# Altium PCB 719FLY底板PCB.PcbDoc
Units mil, origin at the board's own origin, x right, y up, seen from the top; angles counter-clockwise.
Board outline 1811.02 x 3149.61 mil, 2 copper layers (Top Layer, Bottom Layer); 32 components, 41 nets, 143 pads, 26 vias.
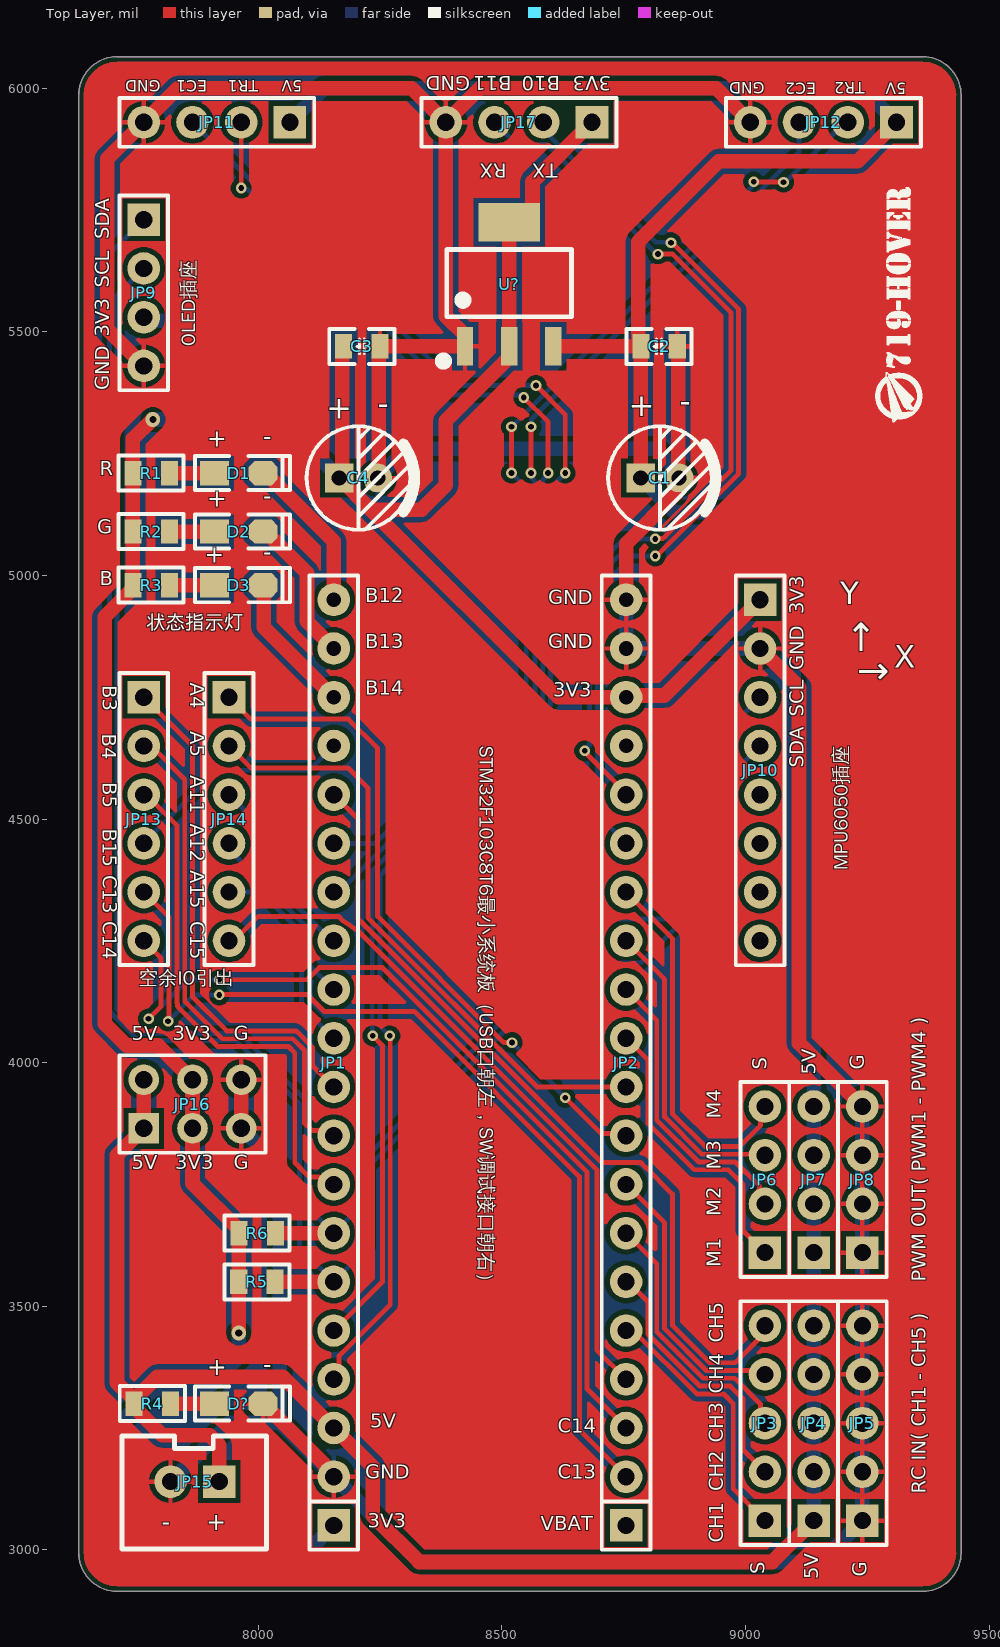
[diagram p0: Top Layer view]
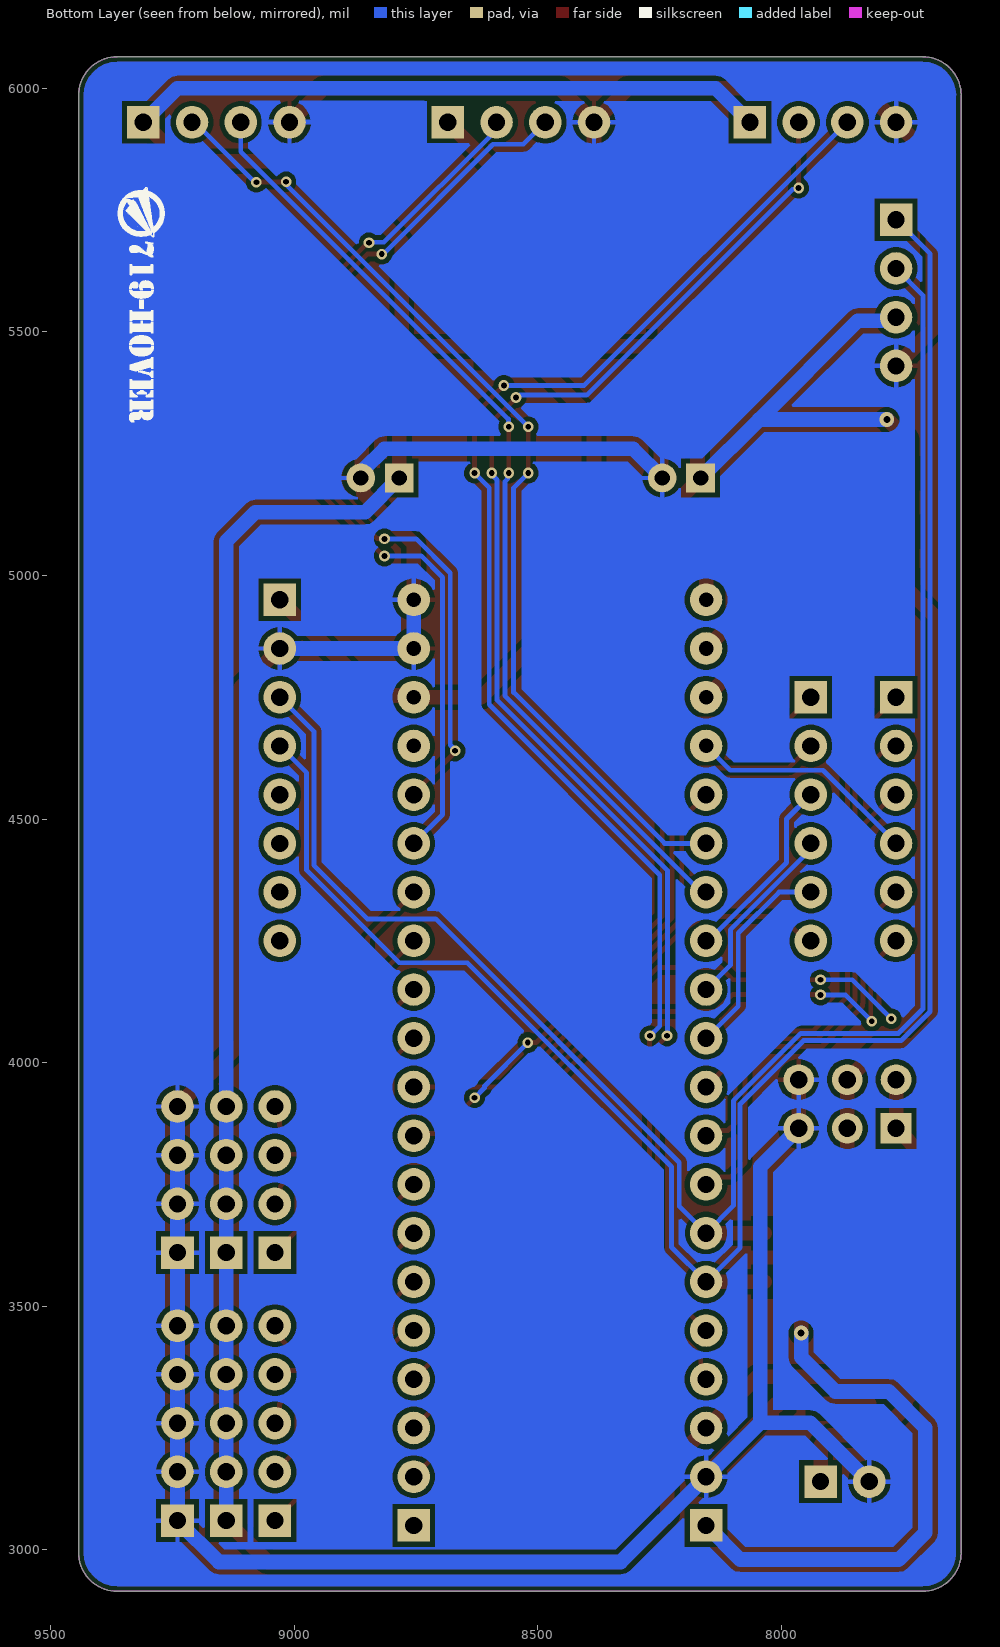
[diagram p1: Bottom Layer view, seen from below]

## Layer stack, top to bottom
Top Solder: solder mask 0.4, Solder Resist, Dk 3.5
Top Layer: signal copper 1.4
Dielectric 1: dielectric 12.6, FR-4, Dk 4.8
Bottom Layer: signal copper 1.4
Bottom Solder: solder mask 0.4, Solder Resist, Dk 3.5

## Board outline
7631.57,2993.72 7631.57,5985.85 cw(c7710.31,5985.85) 7710.31,6064.59 9363.85,6064.59 cw(c9363.85,5985.85) 9442.59,5985.85 9442.59,2993.72 cw(c9363.85,2993.72) 9363.85,2914.98 7710.31,2914.98 cw(c7710.31,2993.72)

## Design rules (kind name [scope] priority, off if disabled: settings)
Clearance Polygon [InNamedPolygon('P1') OR InNamedPolygon('P2')] p1: gap=10 ignorepadtopadclearanceinfootprint=FALSE
Clearance [All] p2: gap=0 ignorepadtopadclearanceinfootprint=FALSE
MinimumSolderMaskSliver [All] p1: minsoldermaskwidth=0
PolygonConnect [All] p1: connectstyle=Relief reliefconductorwidth=10 reliefentries=4 polygonreliefangle="90 Angle" airgapwidth=10
RoutingVias [All] p1: holewidth=28 width=50 viastyle="Through Hole" minholewidth=28 minwidth=50 maxholewidth=28 maxwidth=50
SilkToSilkClearance [All] p1: silktosilkclearance=0
SilkToSolderMaskClearance [IsPad] p1: minsilkscreentomaskgap=0 clearancetoexposedcopper=TRUE
SolderMaskExpansion [All] p1: expansion=4 istentingtop=FALSE
Width [All] p1: maxlimit=30 minlimit=10 preferedwidth=10
27 further rules are at their usual default settings.

## Components (designator, comment, footprint, x,y, rotation, side; value= is the part's Value field where it differs from the comment)
C1 "10uF" "CAP 2.0*5*11" 8824.37,5200.04 r0 top
C2 "104" "C 0805_L" 8822.6,5470.04 r180 top
C3 "104" "C 0805_L" 8212.6,5470.04 r180 top
C4 "10uF" "CAP 2.0*5*11" 8205.63,5200.04 r0 top
D1 "LED" "LED 0805R" 7960,5210.04 r0 top
D2 "LED" "LED 0805G" 7960,5090.04 r0 top
D3 "LED" "LED 0805B" 7960,4980.04 r0 top
D? "LED" "LED 0805W" 7960,3300.04 r0 top
JP1 "HDR-1X20" HDR2.54-M-LI-20P 8155,4000.04 r90 top
JP2 "HDR-1X20" HDR2.54-M-LI-20P 8755,4000.04 r90 top
JP3 "HDR-1X5" HDR2.54-LI-5P 9040,3260.04 r90 top
JP4 "HDR-1X5" HDR2.54-LI-5P 9140,3260.04 r90 top
JP5 "HDR-1X5" HDR2.54-LI-5P 9240,3260.04 r90 top
JP6 "HDR-1X4" HDR2.54-LI-4P 9040,3760.04 r90 top
JP7 "HDR-1X4" HDR2.54-LI-4P 9140,3760.04 r90 top
JP8 "HDR-1X4" HDR2.54-LI-4P 9240,3760.04 r90 top
JP9 "HDR-1X4" HDR2.54-M-LI-4P 7765,5580.04 r270 top
JP10 "HDR-1X8" HDR2.54-LI-8P 9030,4600 r270 top
JP11 "HDR-1X4" HDR2.54-M-LI-4P 7915,5930.04 r180 top
JP12 "HDR-1X4" HDR2.54-M-LI-4P 9160,5930.04 r180 top
JP13 "HDR-1X6" HDR2.54-LI-6P 7765,4500.04 r270 top
JP14 "HDR-1X6" HDR2.54-LI-6P 7940,4500.04 r270 top
JP15 "HDR-1X2" XH2.54-LI-2P 7870,3140 r0 top
JP16 "Header3X2" HDR2.54-LI-2x3P 7865,3915.04 r0 top
JP17 "HDR-1X4" HDR2.54-LI-4P 8535,5930.04 r180 top
R1 "4.7K" "R 0805_L" 7780,5210.04 r0 top
R2 "4.7K" "R 0805_L" 7780,5090.04 r0 top
R3 "4.7K" "R 0805_L" 7780,4980.04 r0 top
R4 "4.7K" "R 0805_L" 7782.6,3300.04 r0 top
R5 "2.2K" "R 0805_L" 7997.4,3550.04 r180 top
R6 "2.2K" "R 0805_L" 7997.6,3650.04 r180 top
U? "AMS1117-3V3" SOT223_N 8515,5600.04 r0 top

## Footprints (in the part's own frame and the unit in brackets; to place one, negate y for a bottom-side part, rotate by r counter-clockwise, add the part's x,y. Pads: shape width x height; smd on the part's side, far side on the other; paste and mask are expansions set on the pad)
"C 0805_L" [mil] "无极性贴片电容                                        淘宝ID:黄晶宝石"
  rect 35x50 smd: 1(-37.4,0) 2(37.4,0)
  silkscreen extent -67,-36 67,36, body extent -39,-24 39,24, height 20
"CAP 2.0*5*11" [mm] "脚距2mm直径5mm高度11mm                 淘宝ID:黄晶宝石"
  rect 1.5x1.5 hole 0.8: 1(-1,0)
  round 1.5 hole 0.8: 2(1,0)
  silkscreen extent -2.7,-2.7 2.96,2.7, body extent -2.5,-2.5 2.51,2.5, height 11.04
HDR2.54-LI-2x3P [mm] "封装库来自淘宝卖家 ID：黄晶宝石"
  rect 1.6x1.6 hole 0.9: 1(-2.54,-1.27)
  round 1.6 hole 0.9: 2(-2.54,1.27) 3(0,-1.27) 4(0,1.27) 5(2.54,-1.27) 6(2.54,1.27)
  silkscreen extent -3.81,-2.54 3.81,2.54, body extent -3.81,-2.54 3.81,2.54, height 8.5
HDR2.54-LI-4P [mm] "排针，4脚"
  rect 1.7x1.7 hole 0.9: 1(-3.81,0)
  round 1.7 hole 0.9: 2(-1.27,0) 3(1.27,0) 4(3.81,0)
  silkscreen extent -5.08,-1.27 5.08,1.27, body extent -5.08,-1.27 5.08,1.27, height 8.5
HDR2.54-LI-5P [mm] "排针，5脚"
  rect 1.7x1.7 hole 0.9: 1(-5.08,0)
  round 1.7 hole 0.9: 2(-2.54,0) 3(0,0) 4(2.54,0) 5(5.08,0)
  silkscreen extent -6.35,-1.27 6.35,1.27, body extent -6.35,-1.27 6.35,1.27, height 8.5
HDR2.54-LI-6P [mm] "排针，6脚"
  rect 1.7x1.7 hole 0.9: 1(-6.35,0)
  round 1.7 hole 0.9: 2(-3.81,0) 3(-1.27,0) 4(1.27,0) 5(3.81,0) 6(6.35,0)
  silkscreen extent -7.62,-1.27 7.62,1.27, body extent -7.62,-1.27 7.62,1.27, height 8.5
HDR2.54-LI-8P [mm] "排针，8脚  淘宝ID:黄晶宝石   店铺网址:https://shop463601444.taobao.com"
  rect 1.7x1.7 hole 0.9: 1(-8.89,0)
  round 1.7 hole 0.9: 2(-6.35,0) 3(-3.81,0) 4(-1.27,0) 5(1.27,0) 6(3.81,0) 7(6.35,0) 8(8.89,0)
  silkscreen extent -10.16,-1.27 10.16,1.27, body extent -10.16,-1.27 10.16,1.27, height 8.5
HDR2.54-M-LI-4P [mm] "排母，4脚  淘宝ID:黄晶宝石   店铺网址:https://shop463601444.taobao.com"
  rect 1.7x1.7 hole 0.9: 1(-3.81,0)
  round 1.7 hole 0.9: 2(-1.27,0) 3(1.27,0) 4(3.81,0)
  silkscreen extent -5.08,-1.27 5.08,1.27, body extent -5.08,-1.27 5.08,1.27, height 8.5
HDR2.54-M-LI-20P [mm] "排母，20脚"
  rect 1.7x1.7 hole 0.9: 1(-24.13,0)
  round 1.7 hole 0.9: 2(-21.59,0) 3(-19.05,0) 4(-16.51,0) 5(-13.97,0) 6(-11.43,0) 7(-8.89,0) 8(-6.35,0) 9(-3.81,0) 10(-1.27,0) 11(1.27,0) 12(3.81,0) 13(6.35,0) 14(8.89,0) 15(11.43,0) 16(13.97,0)
  round 1.7 hole 0.762: 17(16.51,0) 18(19.05,0) 19(21.59,0) 20(24.13,0)
  silkscreen extent -25.4,-1.27 25.4,1.27, body extent -25.4,-1.27 25.4,1.27, height 8.5
"LED 0805B" [mil] "蓝色0805LED                                    淘宝ID:黄晶宝石"
  rect 60x50 smd: 1(-50,0)
  oct 60x50 smd: 2(50,0)
  silkscreen extent -90,-35 105,35, body extent -39,-25 39,25, height 32
"LED 0805G" [mil] "绿色0805LED                              淘宝ID:黄晶宝石"
  rect 60x50 smd: 1(-50,0)
  oct 60x50 smd: 2(50,0)
  silkscreen extent -90,-35 105,35, body extent -39,-25 39,25, height 32
"LED 0805R" [mil] "红色0805LED                                       淘宝ID:黄晶宝石"
  rect 60x50 smd: 1(-50,0)
  oct 60x50 smd: 2(50,0)
  silkscreen extent -90,-35 105,35, body extent -39,-25 39,25, height 32
"LED 0805W" [mil] "白色0805LED"
  rect 60x50 smd: 1(-50,0)
  oct 60x50 smd: 2(50,0)
  silkscreen extent -90,-35 105,35, body extent -39,-25 39,25, height 32
"R 0805_L" [mil] "1/8W贴片电阻"
  rect 35x50 smd: 1(-37.4,0) 2(37.4,0)
  silkscreen extent -67,-36 67,36, body extent -39,-25 39,25, height 20
SOT223_N [mm] "6.4x7x1.6mm(长宽高)"
  rect 0.85x2 smd: 1(-2.3,-3.302) 2(0,-3.302) 3(2.3,-3.302)
  rect 3.2x2 smd: 2(0,3.175)
  silkscreen extent -3.63,-4.26 3.25,1.75, body extent -3.25,-3.51 3.25,3.51, height 1.65
XH2.54-LI-2P [mm] "接插件，2P  淘宝ID:黄晶宝石   店铺网址:https://shop463601444.taobao.com"
  rect 1.7x1.7 hole 0.9: 1(1.27,0)
  round 1.7 hole 0.9: 2(-1.27,0)
  silkscreen extent -3.81,-3.51 3.74,2.37, body extent -3.77,-3.3 3.77,2.4, height 7.05

## Part data
C1 C4: library part C-CAP, "直插电解电容", BOM名称=直插电解电容, 学习资源=www.ooocke.com, 版权归属=源创客
C2 C3: library part C, "无极性贴片电容", BOM名称=无极性贴片电容, 学习资源=www.ooocke.com, 材质=X7R, 版权归属=源创客
D1 D2 D3 D?: "发光二极管", 技术支持，联系售后=https://shop463601444.taobao.com
JP1 JP2: library part "Header 20", "20P接插件", BOM名称=20P接插件, 学习资源=https://shop463601444.taobao.com, 版权归属="封装库来自淘宝 ID：黄晶宝石"
JP3 JP4 JP5: library part "Header 5", "5P接插件", BOM名称=5P接插件, 学习资源=https://shop463601444.taobao.com, 版权归属="封装库来自淘宝 ID：黄晶宝石"
JP6 JP7 JP8 JP9 JP11 JP12 JP17: library part "Header 4", "4P接插件", BOM名称=4P接插件
  JP6 JP7 JP8: 学习资源=https://shop463601444.taobao.com, 版权归属="封装库来自淘宝 ID：黄晶宝石"
  JP9 JP11 JP12 JP17: 学习资源=www.ooocke.com, 版权归属=源创客
JP10: library part "Header 8", "8P接插件", BOM名称=8P接插件, 学习资源=https://shop463601444.taobao.com, 版权归属="封装库来自淘宝 ID：黄晶宝石"
JP13 JP14: library part "Header 6", "6P接插件", BOM名称=6P接插件, 学习资源=https://shop463601444.taobao.com, 版权归属="封装库来自淘宝 ID：黄晶宝石"
JP15: library part "Header 2", "2P接插件", BOM名称=2P接插件, 学习资源=www.ooocke.com, 版权归属=源创客
JP16: library part "Header 3X2", "3*2P接插件", BOM名称=3*2P接插件, 学习资源=https://shop463601444.taobao.com, 版权归属="封装库来自淘宝 ID：黄晶宝石"
R1 R2 R3 R4 R5 R6: library part 1R, "贴片电阻", BOM名称=贴片电阻, 学习资源=www.ooocke.com, 版权归属=源创客
U?: library part AMS1117, "三端稳压芯片", BOM名称=稳压芯片, 学习资源=www.ooocke.com, 版权归属=源创客

## Via types
v1: diameter 22, hole 12, Top Layer to Bottom Layer, 24 vias
v2: diameter 30, hole 15, Top Layer to Bottom Layer, 2 vias

## Nets (pads, with @x,y where several pads share a name; then routed paths per layer and width w, separated by ;. In a path a pad name is that pad's centre, name@x,y a point inside that pad or via, vN(x,y) a via of type N, cw(c..) or ccw(c..) an arc to the next point about the centre after c; other vN are vias at no path point)
CH1: JP2.5 JP3.1 | length 549.1
  Top Layer w10: JP2.5 8770,3450.04 8900,3320.04 8955,3320.04 8975,3300.04 8975,3125.04 JP3.1
CH2: JP2.6 JP3.2 | length 547
  Top Layer w10: JP2.6 8759.14,3550.04 8800,3509.18 8800,3442.67 8906.63,3336.04 8969,3336.04 8995,3310.04 8995,3205.04 JP3.2
CH3: JP2.7 JP3.3 | length 546
  Top Layer w10: JP2.7 8818,3587.04 8818,3447.29 8913.25,3352.04 8978,3352.04 9030.73,3299.31 9030.73,3269.31 JP3.3
CH4: JP2.8 JP3.4 | length 573.7
  Top Layer w10: JP2.8 8834,3671.04 8834,3453.92 8919.88,3368.04 9032,3368.04 JP3.4
CH5: JP1.16 JP3.5 | length 1686.3
  Top Layer w10: JP1.16 8205,4500.04 8205,4294.78 8704.75,3795.04 8784.71,3795.04 8794.71,3785.04 8795,3785.04 8850,3730.04 8850,3460.55 8926.51,3384.04 8979,3384.04 9040,3445.04 JP3.5
Echo_1: JP1.4 JP11.3 | length 3207.7
  Top Layer w10: JP1.4 8165.89,3360.93 8165.89,3398.05 8271,3503.16 8271,4054.04 v1(8270,4055.04) ; v1(8570,5390.04) 8630,5330.04 v1(8630,5210.04)
  Bottom Layer w10: JP11.3 8405,5390.04 v1(8570,5390.04) ; v1(8270,4055.04) 8250,4075.04 8250,4385.04 8600,4735.04 8600,5180.04 v1(8630,5210.04)
Echo_2: JP1.14 JP12.3 | length 1988.1
  Top Layer w10: v1(8560,5210.04) v1(8560,5305.04)
  Bottom Layer w10: JP1.14 8165,4350.04 8568,4753.04 8568,5192.47 8562.3,5198.17 8562.3,5207.74 v1(8560,5210.04) ; v1(8560,5305.04) 8560.88,5305.92 8560.88,5320.92 9110,5870.04 JP12.3
GND: C1.2 C2.1 C3.1 C4.2 D?.2 JP1.2 JP2.19 JP2.20 JP5.1 JP5.2 JP5.3 JP5.4 JP5.5 JP8.1 JP8.2 JP8.3 JP8.4 JP9.4 JP10.2 JP11.4 JP12.4 JP15.2 JP16.5 JP16.6 JP17.4 U?.1 | length 8923
  Top Layer w30: JP9.4 7690,5505.04 7690,5855.04 JP11.4 7835,6000.04 8315,6000.04 JP17.4 ; JP16.5 JP16.6 ; D?.2@8010,3295.04 8005,3300.04 D?.2 8011.29,3300.04 8155,3156.33 JP1.2 ; C4.2 8247.5,5202.54 8247.5,5467.54 C3.1 U?.1 8424.45,5492.68 8385,5532.13 JP17.4 ; JP2.20 8755,5065.04 8858.18,5168.22 8858.18,5194.48 C1.2 8861.87,5201.91 8861.87,5468.17 C2.1 ; JP12.4 8940,6000.04 8455,6000.04 JP17.4 ; JP10.2 9110,4770 9110,4040.04 JP8.4
  Bottom Layer w30: JP15.2 7941.04,3261.04 8044,3261.04 ; JP16.5 8044,3786.04 8044,3261.04 ; C4.2 8305,5260.04 8815,5260.04 8858.18,5216.86 8858.18,5205.6 C1.2 ; JP2.19 JP10.2 ; JP2.19 JP2.20 ; JP8.4 JP8.3 JP8.2 JP8.1 JP5.5 JP5.4 JP5.3 JP5.2 JP5.1 9155,2975.04 8330,2975.04 JP1.2 8044,3261.04
IIC_SCL: JP1.7 JP9.2 JP10.3 R6.1 | length 3969
  Top Layer w30: R6.1 JP1.7
  Bottom Layer w10: JP9.2 7710,5575.04 7710,4110 7760,4060 7960.59,4060 8098.92,3921.67 8098.92,3706.12 JP1.7 8210,3705.04 8210,3795.04 8710,4295.04 8850.04,4295.04 8960,4405 8960,4680 JP10.3
IIC_SDA: JP1.6 JP9.1 JP10.4 R5.1 | length 4181.3
  Top Layer w30: R5.1 JP1.6
  Bottom Layer w10: JP9.1 7695,5660.04 7695,4105 7754.96,4045.04 7955,4045.04 8085,3915.04 8085,3620.04 JP1.6 8226,3621.04 8226,3786.04 8645,4205.04 8785.04,4205.04 8975,4395 8975,4595 JP10.4
LED_B: D3.2 JP1.18 | length 289.5
  Top Layer w30: D3.2@8011.29,4980.04 8011.29,4893.75 JP1.18
LED_G: D2.2 JP1.19 | length 303
  Top Layer w30: D2.2 8015,5090.04 8100,5005.04 8100,4906 8155,4851 JP1.19
LED_R: D1.2 JP1.20 | length 323
  Top Layer w30: D1.2 8015,5210.04 8155,5070.04 JP1.20
NetD1_1: D1.1 R1.2 | length 92.6
  Top Layer w30: R1.2 D1.1
NetD2_1: D2.1 R2.2 | length 92.6
  Top Layer w30: R2.2 D2.1
NetD3_1: D3.1 R3.2 | length 92.6
  Top Layer w30: R3.2 D3.1
NetD?_1: D?.1 R4.2 | length 90
  Top Layer w30: R4.2 D?.1
NRST: JP2.17
PA4: JP2.9 JP14.1 | length 1392.2
  Top Layer w10: JP14.1 7985,4705.04 8185,4705.04 8245,4645.04 8245,4300.04 8504.07,4040.97 v1(8520.93,4040.97) ; v1(8630,3928.04) 8703.29,3854.75 8750.29,3854.75 JP2.9
  Bottom Layer w10: v1(8520.93,4040.97) 8520.93,4040.51 8609.78,3951.66 8609.78,3948.26 v1(8630,3928.04)
PA5: JP2.10 JP14.2 | length 1261.2
  Top Layer w10: JP14.2 7985,4605.04 8184.14,4605.04 8225,4564.18 8225,4297.41 8572.37,3950.04 JP2.10
PA6: JP2.11 JP6.1 | length 599.1
  Top Layer w10: JP2.11 8799.46,4005.57 8799.46,3875.57 8895,3780.04 8965,3780.04 8995,3750.04 8995,3655.04 JP6.1
PA7: JP2.12 JP6.2 | length 602
  Top Layer w10: JP2.12 8818,4087.04 8818,3882.04 8904,3796.04 8979,3796.04 9029.11,3745.93 9029.11,3720.93 JP6.2
PA9: JP1.15 JP12.2 | length 2034.2
  Top Layer w10: v1(8520,5210.04) v1(8520,5305.04) ; v1(9016.94,5808.1) 9017.5,5807.54 9077.5,5807.54 v1(9078.06,5806.98)
  Bottom Layer w10: JP1.15 8240,4450.04 8550,4760.04 8550,5180.04 v1(8520,5210.04) ; v1(8520,5305.04) 9014.65,5799.69 9014.65,5805.8 v1(9016.94,5808.1) ; v1(9078.06,5806.98) 9081.3,5806.98 9204.36,5930.04 JP12.2
PA11: JP1.13 JP14.3 | length 396.8
  Top Layer w10: JP1.13 JP1.13@8155,4255.04
  Bottom Layer w10: JP14.3 7990,4500.04 7990,4410.29 8150.25,4250.04 JP1.13
PA12: JP1.12 JP14.4 | length 389.1
  Bottom Layer w10: JP14.4 7940,4437.67 8105,4272.67 8105,4200.04 JP1.12
PA15: JP1.11 JP14.5 | length 436.7
  Top Layer w10: JP1.11@8151.74,4053.3 JP1.11 JP1.11@8155,4055.04
  Bottom Layer w10: JP14.5 8005,4350.04 8089,4266.04 8089,4116.04 JP1.11
PB0: JP2.13 JP6.3 | length 632.7
  Top Layer w10: JP2.13 8834,4171.04 8834,3888.67 8910.63,3812.04 9038,3812.04 JP6.3
PB1: JP2.14 JP6.4 | length 763.5
  Top Layer w10: JP2.14 8850,4255.04 8850,3895.29 8917.25,3828.04 8988,3828.04 9030.73,3870.77 9030.73,3900.77 JP6.4
PB3: JP1.10 JP13.1 | length 1045.1
  Top Layer w10: JP13.1 7865,4650.04 7865,4135.04 7935,4065.04 8077.63,4065.04 8111,4031.67 8111,3994.04 JP1.10
PB4: JP1.9 JP13.2 | length 1075.3
  Top Layer w10: JP13.2 7780,4650.04 7849,4581.04 7849,4128.41 7850,4127.41 7850,4125.04 7926,4049.04 8071,4049.04 8095,4025.04 8095,3875.9 8109.97,3860.93 8144.11,3860.93 JP1.9
PB5: JP1.8 JP13.3 | length 1069.9
  Top Layer w10: JP13.3 7770,4550.04 7833,4487.04 7833,4121.78 7834,4120.78 7834,4116.04 7917,4033.04 8062,4033.04 8075,4020.04 8075,3795.04 8105,3765.04 8124.6,3765.04 8139.6,3750.04 JP1.8
PB8: JP1.5 JP11.2 | length 3028.5
  Top Layer w10: v1(7965,5795.04) JP11.2 ; JP1.5 8255,3550.04 8255,4035.04 v1(8235,4055.04) ; v1(8545,5365.04) 8595,5315.04 v1(8595,5210.04)
  Bottom Layer w10: v1(7965,5795.04) 7967.3,5792.74 7977.3,5792.74 8400,5370.04 8536.75,5370.04 8541.75,5365.04 v1(8545,5365.04) ; v1(8235,4055.04) 8234,4056.04 8234,4394.04 8584,4744.04 8584,5195.79 8595,5206.79 v1(8595,5210.04)
PB10: JP2.15 JP17.2 | length 1855.2
  Top Layer w10: v1(8815,5040.04) 8817.63,5040.04 8986,5208.41 8986,5546.67 8849.71,5682.96 v1(8847.08,5682.96)
  Bottom Layer w10: JP17.2 8585,5915.04 8816.19,5683.84 8846.19,5683.84 v1(8847.08,5682.96) ; JP2.15 8696,4509.04 8696,4996.04 8740,5040.04 v1(8815,5040.04)
PB11: JP2.16 JP17.3 | length 1842.9
  Top Layer w10: v1(8670,4640.04) 8670,4637.54 8755,4552.54 JP2.16 ; v1(8815,5075.04) 8815.88,5075.92 8830.88,5075.92 8970,5215.04 8970,5540.04 8850.55,5659.49 v1(8820.55,5659.49)
  Bottom Layer w10: JP17.3 8530,5885.04 8592.37,5885.04 8817.92,5659.49 v1(8820.55,5659.49) ; v1(8670,4640.04) 8670,4641.9 8680,4651.9 8680,5005.04 8750,5075.04 v1(8815,5075.04)
PB15: JP1.17 JP13.4 | length 472.8
  Bottom Layer w10: JP13.4 7915,4600.04 8105,4600.04 JP1.17
PC13: JP2.2 JP13.5 | length 1964.8
  Top Layer w10: JP13.5 7817,4298.04 7817,4087.04 v1(7815,4085.04) ; v1(7920,4139.04) 7921,4140.04 8100,4140.04 8135,4105.04 8320,4105.04 8659,3766.04 8659,3246.04 JP2.2
  Bottom Layer w10: v1(7815,4085.04) 7869,4139.04 v1(7920,4139.04)
PC14: JP2.3 JP13.6 | length 1860.5
  Top Layer w10: JP13.6 7800,4215.04 7800,4115.04 v1(7775,4090.04) ; v1(7920,4170.04) 8100,4170.04 8125,4195.04 8255,4195.04 8675,3775.04 8675,3330.04 JP2.3
  Bottom Layer w10: v1(7775,4090.04) 7855,4170.04 v1(7920,4170.04)
PC15: JP2.4 JP14.6 | length 1443.7
  Top Layer w10: JP14.6 7950,4250.04 8000,4300.04 8165,4300.04 8174.56,4290.48 8204.46,4270.32 8205.94,4269.1 8695,3780.04 8695,3410.04 JP2.4
VBAT: JP2.1
VCC3V3: C3.2 C4.1 JP1.1 JP2.18 JP9.3 JP10.1 JP16.3 JP16.4 JP17.1 R1.1 R2.1 R3.1 R5.2 R6.2 U?.2 | length 6415.3
  Top Layer w30: v2(7783.78,5320) 7782.56,5320 7742.6,5280.04 R1.1 R2.1 R3.1 7742.6,4972.54 7685,4914.94 7685,4080.04 7730,4035.04 7795,4035.04 JP16.4 JP16.3 7865,3752.74 7960.2,3657.54 R6.2 7960.1,3649.94 7960.1,3550.14 R5.2 v2(7960,3445.04) ; C3.2 8172.7,5467.54 8172.7,5206.48 C4.1 8231.26,5135.04 ; JP17.1 8562.99,5808.03 8562.99,5749.41 8538.62,5725.04 8515,5725.04 8515,5470.04 8515,5447.4 8385,5317.4 8385,5185.04 8335,5135.04 8231.26,5135.04 ; JP10.1 8833.46,4753.46 8758.43,4753.46 JP2.18 8616.26,4750.04 8231.26,5135.04
  Bottom Layer w30: JP9.3 7772.07,5522.97 7843.33,5522.97 8046.3,5320 ; v2(7783.78,5320) 8046.3,5320 ; v2(7960,3445.04) 7960,3395.04 7890,3325.04 7780,3325.04 7705,3250.04 7705,3035.04 7760,2980.04 8085,2980.04 JP1.1 ; C4.1 8046.3,5320
VCC5V: C1.1 C2.2 JP1.3 JP4.1 JP4.2 JP4.3 JP4.4 JP4.5 JP7.1 JP7.2 JP7.3 JP7.4 JP11.1 JP12.1 JP15.1 JP16.1 JP16.2 R4.1 U?.3 | length 7670.3
  Top Layer w30: JP16.2 JP16.1 7710,3810.04 7710,3342.74 R4.1@7745.2,3307.54 ; JP15.1 7920,3215 7900,3235 7802.74,3235 7745.2,3292.54 R4.1 R4.1@7745.2,3307.54 ; U?.3 8780,5470.04 8780,5685.04 8945,5850.04 9230,5850.04 JP12.1 ; C1.1 8785.1,5200.14 8785.1,5469.94 C2.2 ; JP4.1 9055,2975.04 8330,2975.04 8235,3070.04 8235,3170.04 JP1.3 8050.04,3355 7792.66,3355 R4.1@7745.2,3307.54
  Bottom Layer w30: JP11.1 8135,6000.04 9240,6000.04 JP12.1 ; C1.1 8855,5130.04 9080,5130.04 9140,5070.04 JP7.4 JP7.3 JP7.2 JP7.1 JP4.5 JP4.4 JP4.3 JP4.2 JP4.1
pads on no net: JP10.5 JP10.6 JP10.7 JP10.8

## Keep-outs
Keep-Out Layer:
  lines w0.5: 7631.57,2993.72 ccw(c7710.31,2993.72) 7710.31,2914.98 ; 7631.57,2993.72 7631.57,5985.85 ; 7631.57,2993.72 7631.57,5985.85 ; 7631.57,5985.85 cw(c7710.31,5985.85) 7710.31,6064.59 ; 7631.57,5985.85 cw(c7710.31,5985.85) 7710.31,6064.59 ; 7710.31,2914.98 9363.85,2914.98 ; 7710.31,2914.98 9363.85,2914.98 ; 7710.31,6064.59 9363.85,6064.59 ; 7710.31,6064.59 9363.85,6064.59 ; 9363.85,2914.98 ccw(c9363.85,2993.72) 9442.59,2993.72 ; 9363.85,2914.98 ccw(c9363.85,2993.72) 9442.59,2993.72 ; 9363.85,6064.59 cw(c9363.85,5985.85) 9442.59,5985.85 ; 9363.85,6064.59 cw(c9363.85,5985.85) 9442.59,5985.85 ; 9442.59,2993.72 9442.59,5985.85 ; 9442.59,2993.72 9442.59,5985.85

## Other copper
Top Layer:
  region net GND: 8954.71,5533.7 8954.71,5221.37 8829.86,5096.52 8829.66,5096.58 8828.25,5102.24 8876.2,5150.2 8881.73,5158.46 8883.15,5165.6 8888.01,5168.41 8895.37,5175.77 8900.57,5184.78 8903.27,5194.83 8903.27,5195.04 8863.74,5195.04 8863.74,5205.04 8903.27,5205.04 8903.27,5205.24 8900.57,5215.3 8895.37,5224.31 8888.01,5231.67 8887.36,5232.04 8887.36,5435.04 8887.5,5435.04 8887.5,5465.04 8860,5465.04 8832.5,5465.04 8832.5,5435.04 8836.38,5435.04 8836.38,5228.58 8832.11,5224.31 8829.53,5219.84 8824.53,5221.18 8824.53,5239.57 8810.59,5239.57 8810.59,5435.04 8812.7,5435.04 8812.7,5505.04 8805.49,5505.04 8805.49,5638.32 8810.49,5640.93 8816.37,5638.49 8824.73,5638.49 8832.44,5641.69 8834.95,5644.2 8844.21,5644.2 hole: 8887.5,5505.04 8865,5505.04 8865,5475.04 8887.5,5475.04 hole: 8855,5505.04 8832.5,5505.04 8832.5,5475.04 8855,5475.04
  region net GND: 8714.5,3933.26 8720.22,3923.35 8728.31,3915.26 8738.22,3909.54 8749.28,3906.57 8760.72,3906.57 8771.78,3909.54 8779.17,3913.81 8784.17,3910.92 8784.17,3889.16 8779.17,3886.27 8771.78,3890.54 8760.72,3893.5 8749.28,3893.5 8738.22,3890.54 8728.31,3884.82 8720.22,3876.73 8716.36,3870.04 8709.62,3870.04 8651,3928.67 8651,3932.22 8652.69,3934.74 8714.1,3934.74
  region net GND: 8720.22,3723.35 8728.31,3715.26 8738.22,3709.54 8749.28,3706.57 8760.72,3706.57 8771.78,3709.54 8773.11,3710.3 8818.71,3664.7 8818.71,3614.49 8814.09,3612.58 8794.74,3631.93 8795.5,3633.26 8798.46,3644.32 8798.46,3655.76 8795.5,3666.82 8789.78,3676.73 8781.69,3684.82 8771.78,3690.54 8760.72,3693.5 8749.28,3693.5 8738.22,3690.54 8728.31,3684.82 8720.22,3676.73 8715.29,3668.2 8710.29,3669.53 8710.29,3730.54 8715.29,3731.88
  region net GND: 46 vertices and 100 holes, not listed, extent 7642,2925.42 9432.16,6054.16
  region net GND: 8303.46,4124.95 8301.54,4120.33 8193.44,4120.33 8190.92,4125.33 8195.5,4133.26 8198.46,4144.32 8198.46,4155.76 8195.5,4166.82 8190.92,4174.74 8193.44,4179.74 8248.67,4179.74
Bottom Layer:
  region net GND: 9091.5,5969.55 9083.31,5964.82 9075.22,5956.73 9069.5,5946.82 9066.54,5935.76 9066.54,5924.32 9069.5,5913.26 9075.22,5903.35 9083.31,5895.26 9093.22,5889.54 9094.71,5889.14 9094.71,5876.37 9037.73,5819.4 9034.75,5819.99 9028.84,5825.9 9021.12,5829.1 9012.77,5829.1 9005.05,5825.9 8999.14,5819.99 8995.94,5812.27 8995.94,5803.92 8996.33,5802.99 8873.08,5679.75 8868.08,5681.82 8868.08,5687.14 8864.88,5694.86 8858.97,5700.76 8851.26,5703.96 8842.9,5703.96 8835.18,5700.76 8833.56,5699.14 8822.53,5699.14 8639.08,5882.59 8642.17,5886.57 8728.46,5886.57 8728.46,5969.55 8728.46,5973.5 8733.03,5974.55 8990.16,5974.55 8991.5,5969.55 8983.31,5964.82 8975.22,5956.73 8969.5,5946.82 8966.54,5935.76 8966.54,5935.04 9010,5935.04 9053.46,5935.04 9053.46,5935.76 9050.5,5946.82 9044.78,5956.73 9036.69,5964.82 9028.5,5969.55 9029.84,5974.55 9090.16,5974.55 hole: 9053.46,5925.04 9015,5925.04 9015,5886.57 9015.72,5886.57 9026.78,5889.54 9036.69,5895.26 9044.78,5903.35 9050.5,5913.26 9053.46,5924.32 hole: 9005,5925.04 8966.54,5925.04 8966.54,5924.32 8969.5,5913.26 8975.22,5903.35 8983.31,5895.26 8993.22,5889.54 9004.28,5886.57 9005,5886.57
  region net GND: 8210.71,3677.58 8210.71,3627.37 8173.11,3589.77 8171.78,3590.54 8160.72,3593.5 8149.28,3593.5 8138.22,3590.54 8136.89,3589.77 8100.29,3626.37 8100.29,3676.58 8104.91,3678.5 8115.27,3668.14 8114.5,3666.82 8111.54,3655.76 8111.54,3644.32 8114.5,3633.26 8120.22,3623.35 8128.31,3615.26 8138.22,3609.54 8149.28,3606.57 8160.72,3606.57 8171.78,3609.54 8181.69,3615.26 8189.78,3623.35 8195.5,3633.26 8198.46,3644.32 8198.46,3655.76 8195.5,3666.82 8194.74,3668.14 8206.09,3679.5
  region net GND: 46 vertices and 71 holes, not listed, extent 7642,2925.42 9432.16,6054.16

## Silkscreen, mask and mechanical layers (free items; w line width, h text height)
Top Overlay:
  drawing of 3421 lines, arcs and shapes, not listed
  text "B11" at 8520,6035 h50 r180
  text "GND" at 8435,6034.47 h50 r180
  text "B10" at 8620,6034.47 h50 r180
  text "3V3" at 8725,6034.47 h50 r180
  text "GND" at 7800,6024.57 h40 r180
  text "EC1" at 7895,6024.57 h40 r180
  text "TR1" at 8000,6025 h40 r180
  text "5V" at 8090,6024.57 h40 r180
  text "GND" at 9039.72,6020.13 h40 r180
  text "EC2" at 9145,6019.57 h40 r180
  text "TR2" at 9245,6020 h40 r180
  text "5V" at 9330,6019.57 h40 r180
  text "RX" at 8510,5855 h50 r180
  text "TX" at 8615,5855 h50 r180
  text "SDA" at 7704.47,5690 h50 r90
  text "SCL" at 7704.47,5590 h50 r90
  text "3V3" at 7704.47,5490 h50 r90
  text "OLED插座" at 7880.63,5470 h50 r90
  text "GND" at 7704.47,5380 h50 r90
  text "-" at 8865,5319.6 h80
  text "-" at 8245,5314.6 h80
  text "+" at 8760,5311.7 h80
  text "+" at 8140,5306.7 h80
  text "-" at 8010.71,5255.98 h60
  text "+" at 7895.71,5251.3 h60
  text "R" at 7675,5195 h50
  text "-" at 8010,5133.45 h60
  text "+" at 7895,5128.77 h60
  text "G" at 7670,5075.53 h50
  text "-" at 8010,5018.45 h60
  text "+" at 7890,5013.77 h60
  text "B" at 7675,4970 h50
  text "B12" at 8220,4935 h50
  text "GND" at 8595,4930.53 h50
  text "Y" at 9195,4925 h80
  text "3V3" at 9129.47,4920 h50 r90
  text "←" at 9193.19,4906.7 h100 r270
  text "状态指示灯" at 7770.03,4879.52 h50
  text "←" at 9296,4846.81 h100 r180
  text "B13" at 8220,4840.57 h50
  text "GND" at 8595,4840.53 h50
  text "GND" at 9129.47,4805 h50 r90
  text "X" at 9305,4795 h80
  text "A4" at 7850,4780.03 h50 r270
  text "B3" at 7670.53,4775 h50 r270
  text "B14" at 8220,4745.04 h50
  text "3V3" at 8605,4740.53 h50
  text "SCL" at 9129.47,4710 h50 r90
  text "A5" at 7850.53,4680.03 h50 r270
  text "B4" at 7670,4675 h50 r270
  text "STM32F103C8T6最小系统板（USB口朝左，SW调试接口朝右）" at 8444.71,4650 h50 r270
  text "SDA" at 9129.47,4605 h50 r90
  text "A11" at 7850,4590.03 h50 r270
  text "B5" at 7670.53,4575 h50 r270
  text "A12" at 7850,4490.03 h50 r270
  text "B15" at 7670.53,4480 h50 r270
  text "A15" at 7850.53,4395.03 h50 r270
  text "MPU6050插座" at 9220.63,4395 h50 r90
  text "C13" at 7670.53,4385 h50 r270
  text "C14" at 7670.53,4290 h50 r270
  text "C15" at 7850.53,4290 h50 r270
  text "空余IO引出" at 7755.03,4149.37 h50
  text "5V" at 7740,4035.53 h50
  text "3V3" at 7825,4035.53 h50
  text "G" at 7950,4035.53 h50
  text "S" at 9054.47,3985 h50 r90
  text "G" at 9254.47,3985 h50 r90
  text "5V" at 9154.47,3975 h50 r90
  text "M4" at 8960,3885 h50 r90
  text "M3" at 8959.47,3780 h50 r90
  text "5V" at 7740,3770.53 h50
  text "3V3" at 7830,3770.53 h50
  text "G" at 7950,3770.53 h50
  text "M2" at 8960,3685 h50 r90
  text "M1" at 8960,3580 h50 r90
  text "PWM OUT( PWM1 - PWM4 )" at 9380.61,3550 h50 r90
  text "CH5" at 8964.47,3425 h50 r90
  text "-" at 8010.71,3350.98 h60
  text "+" at 7895.71,3346.3 h60
  text "CH4" at 8964.47,3320 h50 r90
  text "5V" at 8230,3240.53 h50
  text "C14" at 8615,3230.53 h50
  text "CH3" at 8964.47,3220 h50 r90
  text "GND" at 8220,3135.53 h50
  text "C13" at 8615,3135.53 h50
  text "CH2" at 8964.47,3120 h50 r90
  text "RC IN( CH1 - CH5 )" at 9380.61,3115 h50 r90
  text "+" at 7934.29,3083.7 h60 r180
  text "-" at 7819.29,3079.02 h60 r180
  text "3V3" at 8225,3035.53 h50
  text "VBAT" at 8580,3030 h50
  text "CH1" at 8964.47,3015 h50 r90
  text "S" at 9049.47,2950 h50 r90
  text "G" at 9259.47,2945 h50 r90
  text "5V" at 9159.47,2940 h50 r90
Bottom Overlay:
  drawing of 3421 lines, arcs and shapes, not listed
Mechanical 2:
  lines w0.5: 7710.31,2993.72 9363.85,2993.72 9363.85,5985.85 7710.31,5985.85 7710.31,2993.72

## Dimensions
8155,3050.04 to 8755,3050.04 on Mechanical 2
8155,3050.04 to 8755,3050.04 on Mechanical 2